# Altium PCB as14120_all перед разводкой ddr.PcbDoc (part 1 of 3) (continued)
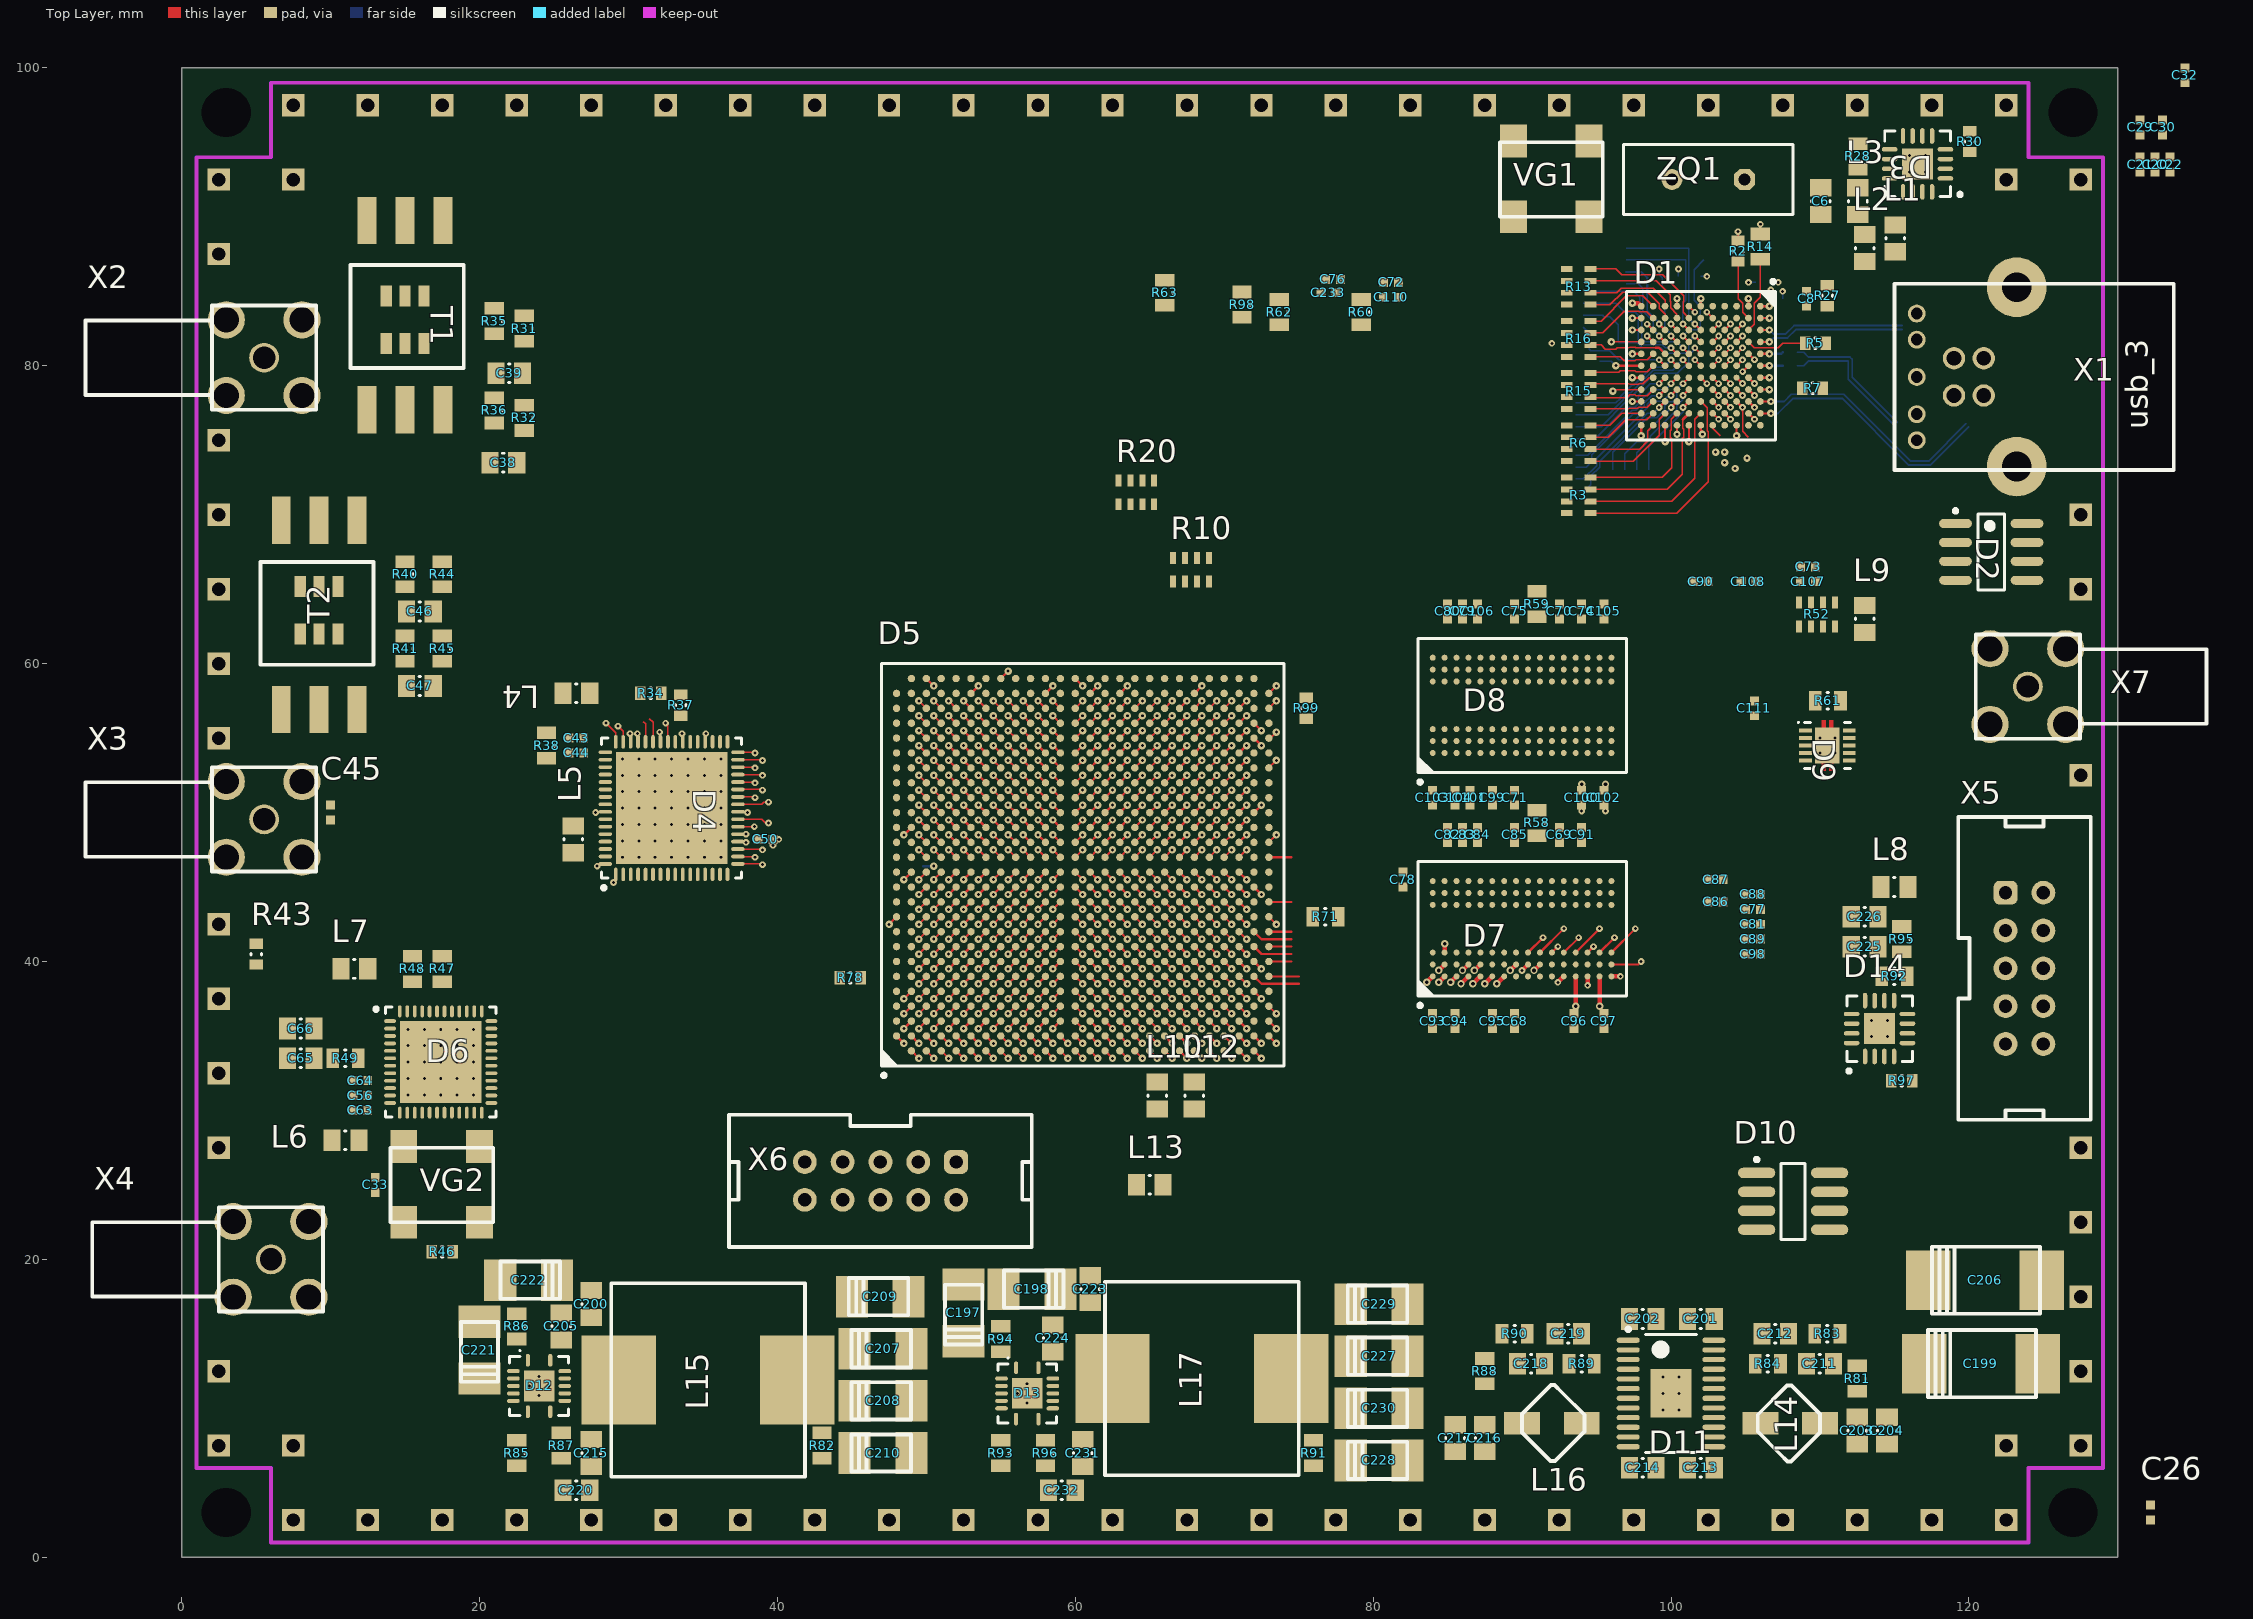
[diagram p0: Top Layer view]
## Components (designator, comment, footprint, x,y, rotation, side; value= is the part's Value field where it differs from the comment) (continued)
C218 "CAP_0805" CAPC0805(2012)100_N 90.6,13 r0 top
C219 "CAP_0805" CAPC0805(2012)100_N 93.1,15 r0 top
C220 "CAP_0805" CAPC0805(2012)100_N 26.5,4.5 r180 top
C221 "AVX_B" AVX_B 20,16.04 r270 top
C222 "AVX_B" AVX_B 21.16,18.6 r0 top
C223 "CAP_0805" CAPC0805(2012)100_N 61,18 r90 top
C224 "CAP_0805" CAPC0805(2012)100_N 58.5,14.7 r90 top
C225 "CAP_0805" CAPC0805(2012)100_N 113,41 r180 top
C226 "CAP_0805" CAPC0805(2012)100_N 113,43 r180 top
C227 "AVX_B" AVX_B 82.54,13.5 r180 top
C228 "AVX_B" AVX_B 82.54,6.5 r180 top
C229 "AVX_B" AVX_B 82.54,17 r180 top
C230 "AVX_B" AVX_B 82.54,10 r180 top
C231 "CAP_0805" CAPC0805(2012)100_N 60.5,7 r90 top
C232 "CAP_0805" CAPC0805(2012)100_N 59.1,4.5 r180 top
C233 "CAP 1uF 10V 0402(1005)" CAPC0402(1005)60_M 77,84.9 r180 top
C234 "CAP 1uF 10V 0402(1005)" CAPC0402(1005)60_M 56,34 r135 bottom
D1 "CYUSB3014" BGA121C80P11X11 102,80 r270 top locked
D2 "AT24C64(soic)" 8S1_N 121.5,67.5 r0 top
D3 "ADP1741" CP-16-4_N 116.55,93.55 r180 top
D4 "AD9640ABCPZ-125" CP-64-6_N 32.9,50.3 r90 top
D5 "5CEFA7F27C8N" ALTR-672-FBGA-2000A 60.5,46.5 r90 top
D6 "AD9517-4ABCPZ" ADI-CP-48-8_L 17.4,33.25 r0 top
D7 "MT41J256M16HA-125" MICT-HA-96 90,42.2 r90 top
D8 "MT41J256M16HA-125" MICT-HA-96 90,57.2 r90 top
D9 "TPS51200DRCT" TI-DRC10-2400X1650TP_V 110.5,54.5 r0 top
D10 "SN65HVD78" 8S1_M 108.2,23.9 r0 top
D11 "LTC3615EFE#PBF" LT-FE-24-EPV-AA_N 100,11 r0 top
D12 "TPS54620RGYR" RGY14-2050X2050TP 24,11.5 r0 top
D13 "TPS54620RGYR" RGY14-2050X2050TP 56.775,11 r0 top
D14 "ADP1741" CP-16-4_N 114,35.5 r90 top
L1 "BLM21PG300SN1D" CAPC0805(2012)100_N 115.05,88.55 r270 top
L2 "BLM21PG300SN1D" CAPC0805(2012)100_N 113,87.9 r270 top
L3 "BLM21PG300SN1D" CAPC0805(2012)100_N 112.55,91.05 r270 top
L4 "BLM21PG300SN1D" CAPC0805(2012)100_N 26.5,58 r180 top
L5 "BLM21PG300SN1D" CAPC0805(2012)100_N 26.3,48.2 r90 top
L6 "BLM21PG300SN1D" CAPC0805(2012)100_N 11,28 r180 top
L7 "BLM21PG300SN1D" CAPC0805(2012)100_N 11.6,39.5 r0 top
L8 "BLM21PG300SN1D" CAPC0805(2012)100_N 115,45 r0 top
L9 "BLM21PG300SN1D" CAPC0805(2012)100_N 113,63 r270 top
L10 "BLM21PG300SN1D" CAPC0805(2012)100_N 65.5,31 r270 top
L12 "BLM21PG300SN1D" CAPC0805(2012)100_N 68,31 r270 top
L13 "BLM21PG300SN1D" CAPC0805(2012)100_N 65,25 r0 top
L14 "IND_Sumida_CDRH3D16" IND_SUMIDA_CDRH3D16 107.962,9.029 r0 top
L15 "ind_cdr127_sumida" IND_CDR127_Sumida 35.35,11.9 r90 top
L16 "IND_Sumida_CDRH3D16" IND_SUMIDA_CDRH3D16 92.038,8.971 r180 top
L17 "ind_cdr127_sumida" IND_CDR127_Sumida 68.5,12 r90 top
R1 "1K 1% 0805(2012)" RESC0805(2012)_L 121,88 r0 bottom
R2 "1K 5% 0603(1608)" RESC0603(1608)_L 104.5,87.7 r270 top
R3 "RES_CAY16" CAY16 93.8,72.5 r270 top
R4 "???" RESC0603(1608)_L 107.1,74.7 r270 bottom
R5 "1K 5% 0603(1608)" RESC0603(1608)_L 109.7,81.5 r180 top
R6 "RES_CAY16" CAY16 93.8,76 r270 top
R7 "1K 5% 0603(1608)" RESC0603(1608)_L 109.5,78.5 r180 top
R8 "RES_CAY16" CAY16 93.3,82.6 r90 bottom
R9 "RES_CAY16" CAY16 92.8,71.6 r90 bottom
R10 "RES_CAY16" CAY16 66.567,66.3 r0 top
R11 "1K 5% 0603(1608)" RESC0603(1608)_L 91,93 r270 bottom
R12 "1K 1% 0805(2012)" RESC0805(2012)_L 109,74.7 r270 bottom
R13 "RES_CAY16" CAY16 93.8,86.5 r270 top
R14 "1K 1% 0805(2012)" RESC0805(2012)_L 106,88 r90 top
R15 "RES_CAY16" CAY16 93.8,79.5 r270 top
R16 "RES_CAY16" CAY16 93.8,83 r270 top
R17 "RES_CAY16" CAY16 98.5,72.2 r180 bottom
R18 "RES_CAY16" CAY16 92.8,75.1 r90 bottom
R19 "RES_CAY16" CAY16 96.2,85.5 r90 bottom
R20 "RES_CAY16" CAY16 62.9,71.5 r0 top
R21 "1K 5% 0603(1608)" RESC0603(1608)_L 123.5,66.5 r180 bottom
R22 "1K 5% 0603(1608)" RESC0603(1608)_L 123.5,65 r180 bottom
R23 "1K 5% 0603(1608)" RESC0603(1608)_L 102.9,87.1 r0 bottom
R24 "1K 5% 0603(1608)" RESC0603(1608)_L 99.4,84.7 r90 bottom
R25 "1K 5% 0603(1608)" RESC0603(1608)_L 95.2,81 r270 bottom
R26 "1K 5% 0603(1608)" RESC0603(1608)_L 95,78.7 r90 bottom
R27 "1K 5% 0603(1608)" RESC0603(1608)_L 110.5,84.7 r90 top
R28 "1K 1% 0805(2012)" RESC0805(2012)_L 112.55,94.05 r270 top
R29 "1K 1% 0805(2012)" RESC0805(2012)_L 113.55,95.05 r0 bottom
R30 "1K 5% 0603(1608)" RESC0603(1608)_L 120.05,95.05 r270 top
R31 "1K 1% 0805(2012)" RESC0805(2012)_L 23,82.5 r270 top
R32 "1K 1% 0805(2012)" RESC0805(2012)_L 23,76.5 r270 top
R33 "1K 1% 0805(2012)" RESC0805(2012)_L 7.5,88 r270 bottom
R34 "1K 5% 0603(1608)" RESC0603(1608)_L 31.5,58 r0 top
R35 "1K 1% 0805(2012)" RESC0805(2012)_L 21,83 r90 top
R36 "1K 1% 0805(2012)" RESC0805(2012)_L 21,77 r270 top
R37 "1K 5% 0603(1608)" RESC0603(1608)_L 33.5,57.2 r270 top
R38 "100" RESC0805(2012)_L 24.5,54.5 r90 top
R39 "10k 1%" RESC0805(2012)_L 31.65,54.15 r270 bottom
R40 "1K 1% 0805(2012)" RESC0805(2012)_L 15,66 r90 top
R41 "1K 1% 0805(2012)" RESC0805(2012)_L 15,61 r90 top
R42 "1K 1% 0805(2012)" RESC0805(2012)_L 11,47.15 r90 bottom
R43 "000" RESC0603(1608)_L 5,40.5 r90 top
R44 "1K 1% 0805(2012)" RESC0805(2012)_L 17.5,66 r90 top
R45 "1K 1% 0805(2012)" RESC0805(2012)_L 17.5,61 r90 top
R46 "1K 5% 0603(1608)" RESC0603(1608)_L 17.5,20.5 r180 top
R47 "1K 1% 0805(2012)" RESC0805(2012)_L 17.5,39.5 r90 top
R48 "1K 1% 0805(2012)" RESC0805(2012)_L 15.5,39.5 r90 top
R49 "1K 1% 0805(2012)" RESC0805(2012)_L 11,33.5 r180 top
R50 "1K 1% 0805(2012)" RESC0805(2012)_L 11,18 r270 bottom
R51 "1K 1% 0805(2012)" RESC0805(2012)_L 11,21.5 r270 bottom
R52 "RES_CAY16" CAY16 111,63.3 r180 top
R53 "RES_CAY16" CAY16 89.9,67.2 r0 bottom
R54 "RES_CAY16" CAY16 98.3,62.4 r270 bottom
R55 "RES_CAY16" CAY16 98.3,58.9 r270 bottom
R56 "RES_CAY16" CAY16 98.3,55.4 r270 bottom
R57 "RES_CAY16" CAY16 85,67 r0 bottom
R58 "1K 1% 0805(2012)" RESC0805(2012)_L 91,49.3 r90 top
R59 "1K 1% 0805(2012)" RESC0805(2012)_L 91,64 r90 top
R60 "39" RESC0805(2012)_L 79.2,83.6 r90 top
R61 "1K 1% 0805(2012)" RESC0805(2012)_L 110.525,57.5 r0 top
R62 "1K 1% 0805(2012)" RESC0805(2012)_L 73.7,83.6 r270 top
R63 "1K 1% 0805(2012)" RESC0805(2012)_L 66,84.9 r270 top
R64 "1K 1% 0805(2012)" RESC0805(2012)_L 110.525,59.5 r180 bottom
R65 "1K 1% 0805(2012)" RESC0805(2012)_L 120,37 r0 bottom
R66 "1K 1% 0805(2012)" RESC0805(2012)_L 120,44.5 r0 bottom
R67 "1K 1% 0805(2012)" RESC0805(2012)_L 121.5,31 r180 bottom
R68 "1K 1% 0805(2012)" RESC0805(2012)_L 120,42 r0 bottom
R69 "1K 1% 0805(2012)" RESC0805(2012)_L 120,40 r180 bottom
R70 "1K 1% 0805(2012)" RESC0805(2012)_L 50,32 r0 bottom
R71 "1K 1% 0805(2012)" RESC0805(2012)_L 76.8,43 r0 top
R72 "1K 5% 0603(1608)" RESC0603(1608)_L 46.5,22 r180 bottom
R73 "1K 5% 0603(1608)" RESC0603(1608)_L 50,22 r0 bottom
R74 "1K 5% 0603(1608)" RESC0603(1608)_L 40,25 r270 bottom
R75 "1K 5% 0603(1608)" RESC0603(1608)_L 56.5,31.5 r270 bottom
R76 "1K 5% 0603(1608)" RESC0603(1608)_L 55,31.5 r270 bottom
R77 "1K 5% 0603(1608)" RESC0603(1608)_L 53.5,31.5 r90 bottom
R78 "1K 5% 0603(1608)" RESC0603(1608)_L 44.9,38.9 r0 top
R79 "1K 5% 0603(1608)" RESC0603(1608)_L 61.5,31.7 r90 bottom
R80 "1K 5% 0603(1608)" RESC0603(1608)_L 54,25.5 r90 bottom
R81 "1K 1% 0805(2012)" RESC0805(2012)_L 112.5,12 r270 top
R82 "1K 1% 0805(2012)" RESC0805(2012)_L 43,7.5 r90 top
R83 "1K 1% 0805(2012)" RESC0805(2012)_L 110.5,15 r180 top
R84 "1K 1% 0805(2012)" RESC0805(2012)_L 106.5,13 r180 top
R85 "1K 1% 0805(2012)" RESC0805(2012)_L 22.5,7 r90 top
R86 "1K 1% 0805(2012)" RESC0805(2012)_L 22.5,15.5 r90 top
R87 "1K 1% 0805(2012)" RESC0805(2012)_L 25.5,7.5 r270 top
R88 "1K 1% 0805(2012)" RESC0805(2012)_L 87.5,12.5 r270 top
R89 "1K 1% 0805(2012)" RESC0805(2012)_L 94,13 r0 top
R90 "1K 1% 0805(2012)" RESC0805(2012)_L 89.5,15 r180 top
R91 "1K 1% 0805(2012)" RESC0805(2012)_L 76,7 r90 top
R92 "1K 1% 0805(2012)" RESC0805(2012)_L 115,39 r180 top
R93 "1K 1% 0805(2012)" RESC0805(2012)_L 55,7 r90 top
R94 "1K 1% 0805(2012)" RESC0805(2012)_L 55,14.65 r90 top
R95 "1K 1% 0805(2012)" RESC0805(2012)_L 115.5,41.5 r270 top
R96 "1K 1% 0805(2012)" RESC0805(2012)_L 58,7 r270 top
R97 "1K 5% 0603(1608)" RESC0603(1608)_L 115.5,32 r180 top
R98 "39" RESC0805(2012)_L 71.2,84.1 r270 top
R99 "???" RESC0603(1608)_L 75.5,57 r90 top
R100 "???" RESC0603(1608)_L 47.4,43.9 r0 bottom
T1 "TT1-6" TT!-6-KK81 17.54,89.755 r180 top
T2 "TT1-6" TT!-6-KK81 6.69,56.92 r0 top
VD1 "BAV99" SO-G3/X.9 6,30 r270 bottom
VD2 "30BQ60" SMC 121,24.5 r0 bottom
VG1 "kxo-v97" kxo-v97 89.42,90 r0 top
VG2 "kxo-v97" kxo-v97 14.92,22.5 r0 top
X1 "USB_3_B" USB3_B 116.5,79.25 r90 top locked
X2 "sma" SMA 5.54,80.54 r0 top
X3 "sma" SMA 5.54,49.54 r0 top
X4 "sma" SMA 6,20 r0 top
X5 "IDC10" IDC10M 122.46,44.62 r90 top
X6 "IDC10" IDC10M 52,26.54 r0 top
X7 "sma" SMA 123.96,58.46 r180 top
ZQ1 "Resonator" BCY-W2/E4.7 102.5,92.5 r180 top

## Footprints (in the part's own frame and the unit in brackets; to place one, negate y for a bottom-side part, rotate by r counter-clockwise, add the part's x,y. Pads: shape width x height; smd on the part's side, far side on the other; paste and mask are expansions set on the pad)
8S1_M [mm] "SOIC, 8-Leads, Body 4.9x3.9mm, Pitch 1.27mm, IPC Low Density"
  oval 2.5x0.7 smd: 1(-2.45,1.905) 2(-2.45,0.635) 3(-2.45,-0.635) 4(-2.45,-1.905) 5(2.45,-1.905) 6(2.45,-0.635) 7(2.45,0.635) 8(2.45,1.905)
  silkscreen extent -2.57,-2.55 0.8,2.93, body extent -1.99,-2.52 1.99,2.52, height 1.75
8S1_N [mm] "SOIC, 8-Leads, Body 4.9x3.9mm, Pitch 1.27mm, IPC Medium Density"
  oval 2.2x0.6 smd: 1(-2.4,1.905) 2(-2.4,0.635) 3(-2.4,-0.635) 4(-2.4,-1.905) 5(2.4,-1.905) 6(2.4,-0.635) 7(2.4,0.635) 8(2.4,1.905)
  silkscreen extent -2.52,-2.55 0.9,2.88, body extent -1.99,-2.53 1.99,2.53, height 1.75
ADI-CP-48-8_L [mm] "QFN, 48-Leads, Body 7x7mm, Pitch 0.5mm, Thermal Pad 5.5x5.5mm, IPC High Density"
  oval 0.8x0.25 smd: 1(-3.4,2.75) 2(-3.4,2.25) 3(-3.4,1.75) 4(-3.4,1.25) 5(-3.4,0.75) 6(-3.4,0.25) 7(-3.4,-0.25) 8(-3.4,-0.75) 9(-3.4,-1.25) 10(-3.4,-1.75) 11(-3.4,-2.25) 12(-3.4,-2.75) 25(3.4,-2.75) 26(3.4,-2.25) 27(3.4,-1.75) 28(3.4,-1.25) 29(3.4,-0.75) 30(3.4,-0.25) 31(3.4,0.25) 32(3.4,0.75) 33(3.4,1.25) 34(3.4,1.75) 35(3.4,2.25) 36(3.4,2.75)
  oval 0.25x0.8 smd: 13(-2.75,-3.4) 14(-2.25,-3.4) 15(-1.75,-3.4) 16(-1.25,-3.4) 17(-0.75,-3.4) 18(-0.25,-3.4) 19(0.25,-3.4) 20(0.75,-3.4) 21(1.25,-3.4) 22(1.75,-3.4) 23(2.25,-3.4) 24(2.75,-3.4) 37(2.75,3.4) 38(2.25,3.4) 39(1.75,3.4) 40(1.25,3.4) 41(0.75,3.4) 42(0.25,3.4) 43(-0.25,3.4) 44(-0.75,3.4) 45(-1.25,3.4) 46(-1.75,3.4) 47(-2.25,3.4) 48(-2.75,3.4)
  rect 5.5x5.5 smd: 49(0,0)
  silkscreen extent -4.47,-3.7 3.7,3.7, body extent -3.55,-3.55 3.55,3.55, height 1
ALTR-672-FBGA-2000A [mm] "FBGA, 672-Balls, Body 27x27mm, Pitch 1mm, Recommended"
  round 0.5 smd: A2(-11.5,12.5) A3(-10.5,12.5) A4(-9.5,12.5) A5(-8.5,12.5) A6(-7.5,12.5) A7(-6.5,12.5) A8(-5.5,12.5) A9(-4.5,12.5) A10(-3.5,12.5) A11(-2.5,12.5) A12(-1.5,12.5) A13(-0.5,12.5) A14(0.5,12.5) A15(1.5,12.5) A16(2.5,12.5) A17(3.5,12.5) A18(4.5,12.5) A19(5.5,12.5) A20(6.5,12.5) A21(7.5,12.5) A22(8.5,12.5) A23(9.5,12.5) A24(10.5,12.5) A25(11.5,12.5) AA1(-12.5,-7.5) AA2(-11.5,-7.5) AA3(-10.5,-7.5) AA4(-9.5,-7.5) AA5(-8.5,-7.5) AA6(-7.5,-7.5) AA7(-6.5,-7.5) AA8(-5.5,-7.5) AA9(-4.5,-7.5) AA10(-3.5,-7.5) AA11(-2.5,-7.5) AA12(-1.5,-7.5) AA13(-0.5,-7.5) AA14(0.5,-7.5) AA15(1.5,-7.5) AA16(2.5,-7.5) AA17(3.5,-7.5) AA18(4.5,-7.5) AA19(5.5,-7.5) AA20(6.5,-7.5) AA21(7.5,-7.5) AA22(8.5,-7.5) AA23(9.5,-7.5) AA24(10.5,-7.5) AA25(11.5,-7.5) AA26(12.5,-7.5) AB1(-12.5,-8.5) AB2(-11.5,-8.5) AB3(-10.5,-8.5) AB4(-9.5,-8.5) AB5(-8.5,-8.5) AB6(-7.5,-8.5) AB7(-6.5,-8.5) AB8(-5.5,-8.5) AB9(-4.5,-8.5) AB10(-3.5,-8.5) AB11(-2.5,-8.5) AB12(-1.5,-8.5) AB13(-0.5,-8.5) AB14(0.5,-8.5) AB15(1.5,-8.5) AB16(2.5,-8.5) AB17(3.5,-8.5) AB18(4.5,-8.5) AB19(5.5,-8.5) AB20(6.5,-8.5) AB21(7.5,-8.5) AB22(8.5,-8.5) AB23(9.5,-8.5) AB24(10.5,-8.5) AB25(11.5,-8.5) AB26(12.5,-8.5) AC1(-12.5,-9.5) AC2(-11.5,-9.5) AC3(-10.5,-9.5) AC4(-9.5,-9.5) AC5(-8.5,-9.5) AC6(-7.5,-9.5) AC7(-6.5,-9.5) AC8(-5.5,-9.5) AC9(-4.5,-9.5) AC10(-3.5,-9.5) AC11(-2.5,-9.5) AC12(-1.5,-9.5) AC13(-0.5,-9.5) AC14(0.5,-9.5) AC15(1.5,-9.5) AC16(2.5,-9.5) AC17(3.5,-9.5) AC18(4.5,-9.5) AC19(5.5,-9.5) AC20(6.5,-9.5) AC21(7.5,-9.5) AC22(8.5,-9.5) AC23(9.5,-9.5) AC24(10.5,-9.5) AC25(11.5,-9.5) AC26(12.5,-9.5) AD1(-12.5,-10.5) AD2(-11.5,-10.5) AD3(-10.5,-10.5) AD4(-9.5,-10.5) AD5(-8.5,-10.5) AD6(-7.5,-10.5) AD7(-6.5,-10.5) AD8(-5.5,-10.5) AD9(-4.5,-10.5) AD10(-3.5,-10.5) AD11(-2.5,-10.5) AD12(-1.5,-10.5) AD13(-0.5,-10.5) AD14(0.5,-10.5) AD15(1.5,-10.5) AD16(2.5,-10.5) AD17(3.5,-10.5) AD18(4.5,-10.5) AD19(5.5,-10.5) AD20(6.5,-10.5) AD21(7.5,-10.5) AD22(8.5,-10.5) AD23(9.5,-10.5) AD24(10.5,-10.5) AD25(11.5,-10.5) AD26(12.5,-10.5) AE1(-12.5,-11.5) AE2(-11.5,-11.5) AE3(-10.5,-11.5) AE4(-9.5,-11.5) AE5(-8.5,-11.5) AE6(-7.5,-11.5) AE7(-6.5,-11.5) AE8(-5.5,-11.5) AE9(-4.5,-11.5) AE10(-3.5,-11.5) AE11(-2.5,-11.5) AE12(-1.5,-11.5) AE13(-0.5,-11.5) AE14(0.5,-11.5) AE15(1.5,-11.5) AE16(2.5,-11.5) AE17(3.5,-11.5) AE18(4.5,-11.5) AE19(5.5,-11.5) AE20(6.5,-11.5) AE21(7.5,-11.5) AE22(8.5,-11.5) AE23(9.5,-11.5) AE24(10.5,-11.5) AE25(11.5,-11.5) AE26(12.5,-11.5) AF2(-11.5,-12.5) AF3(-10.5,-12.5) AF4(-9.5,-12.5) AF5(-8.5,-12.5) AF6(-7.5,-12.5) AF7(-6.5,-12.5) AF8(-5.5,-12.5) AF9(-4.5,-12.5) AF10(-3.5,-12.5) AF11(-2.5,-12.5) AF12(-1.5,-12.5) AF13(-0.5,-12.5) AF14(0.5,-12.5) AF15(1.5,-12.5) AF16(2.5,-12.5) AF17(3.5,-12.5) AF18(4.5,-12.5) AF19(5.5,-12.5) AF20(6.5,-12.5) AF21(7.5,-12.5) AF22(8.5,-12.5) AF23(9.5,-12.5) AF24(10.5,-12.5) AF25(11.5,-12.5) B1(-12.5,11.5) B2(-11.5,11.5) B3(-10.5,11.5) B4(-9.5,11.5) B5(-8.5,11.5) B6(-7.5,11.5) B7(-6.5,11.5) B8(-5.5,11.5) B9(-4.5,11.5) B10(-3.5,11.5) B11(-2.5,11.5) B12(-1.5,11.5) B13(-0.5,11.5) B14(0.5,11.5) B15(1.5,11.5) B16(2.5,11.5) B17(3.5,11.5) B18(4.5,11.5) B19(5.5,11.5) B20(6.5,11.5) B21(7.5,11.5) B22(8.5,11.5) B23(9.5,11.5) B24(10.5,11.5) B25(11.5,11.5) B26(12.5,11.5) C1(-12.5,10.5) C2(-11.5,10.5) C3(-10.5,10.5) C4(-9.5,10.5) C5(-8.5,10.5) C6(-7.5,10.5) C7(-6.5,10.5) C8(-5.5,10.5) C9(-4.5,10.5) C10(-3.5,10.5) C11(-2.5,10.5) C12(-1.5,10.5) C13(-0.5,10.5) C14(0.5,10.5) C15(1.5,10.5) C16(2.5,10.5) C17(3.5,10.5) C18(4.5,10.5) C19(5.5,10.5) C20(6.5,10.5) C21(7.5,10.5) C22(8.5,10.5) C23(9.5,10.5) C24(10.5,10.5) C25(11.5,10.5) C26(12.5,10.5) D1(-12.5,9.5) D2(-11.5,9.5) D3(-10.5,9.5) D4(-9.5,9.5) D5(-8.5,9.5) D6(-7.5,9.5) D7(-6.5,9.5) D8(-5.5,9.5) D9(-4.5,9.5) D10(-3.5,9.5) D11(-2.5,9.5) D12(-1.5,9.5) D13(-0.5,9.5) D14(0.5,9.5) D15(1.5,9.5) D16(2.5,9.5) D17(3.5,9.5) D18(4.5,9.5) D19(5.5,9.5) D20(6.5,9.5) D21(7.5,9.5) D22(8.5,9.5) D23(9.5,9.5) D24(10.5,9.5) D25(11.5,9.5) D26(12.5,9.5) E1(-12.5,8.5) E2(-11.5,8.5) E3(-10.5,8.5) E4(-9.5,8.5) E5(-8.5,8.5) E6(-7.5,8.5) E7(-6.5,8.5) E8(-5.5,8.5) E9(-4.5,8.5) E10(-3.5,8.5) E11(-2.5,8.5) E12(-1.5,8.5) E13(-0.5,8.5) E14(0.5,8.5) E15(1.5,8.5) E16(2.5,8.5) E17(3.5,8.5) E18(4.5,8.5) E19(5.5,8.5) E20(6.5,8.5) E21(7.5,8.5) E22(8.5,8.5) E23(9.5,8.5) E24(10.5,8.5) E25(11.5,8.5) E26(12.5,8.5) F1(-12.5,7.5) F2(-11.5,7.5) F3(-10.5,7.5) F4(-9.5,7.5) F5(-8.5,7.5) F6(-7.5,7.5) F7(-6.5,7.5) F8(-5.5,7.5) F9(-4.5,7.5) F10(-3.5,7.5) F11(-2.5,7.5) F12(-1.5,7.5) F13(-0.5,7.5) F14(0.5,7.5) F15(1.5,7.5) F16(2.5,7.5) F17(3.5,7.5) F18(4.5,7.5) F19(5.5,7.5) F20(6.5,7.5) F21(7.5,7.5) F22(8.5,7.5) F23(9.5,7.5) F24(10.5,7.5) F25(11.5,7.5) F26(12.5,7.5) G1(-12.5,6.5) G2(-11.5,6.5) G3(-10.5,6.5) G4(-9.5,6.5) G5(-8.5,6.5) G6(-7.5,6.5) G7(-6.5,6.5) G8(-5.5,6.5) G9(-4.5,6.5) G10(-3.5,6.5) G11(-2.5,6.5) G12(-1.5,6.5) G13(-0.5,6.5) G14(0.5,6.5) G15(1.5,6.5) G16(2.5,6.5) G17(3.5,6.5) G18(4.5,6.5) G19(5.5,6.5) G20(6.5,6.5) G21(7.5,6.5) G22(8.5,6.5) G23(9.5,6.5) G24(10.5,6.5) G25(11.5,6.5) G26(12.5,6.5) H1(-12.5,5.5) H2(-11.5,5.5) H3(-10.5,5.5) H4(-9.5,5.5) H5(-8.5,5.5) H6(-7.5,5.5) H7(-6.5,5.5) H8(-5.5,5.5) H9(-4.5,5.5) H10(-3.5,5.5) H11(-2.5,5.5) H12(-1.5,5.5) H13(-0.5,5.5) H14(0.5,5.5) H15(1.5,5.5) H16(2.5,5.5) H17(3.5,5.5) H18(4.5,5.5) H19(5.5,5.5) H20(6.5,5.5) H21(7.5,5.5) H22(8.5,5.5) H23(9.5,5.5) H24(10.5,5.5) H25(11.5,5.5) H26(12.5,5.5) J1(-12.5,4.5) J2(-11.5,4.5) J3(-10.5,4.5) J4(-9.5,4.5) J5(-8.5,4.5) J6(-7.5,4.5) J7(-6.5,4.5) J8(-5.5,4.5) J9(-4.5,4.5) J10(-3.5,4.5) J11(-2.5,4.5) J12(-1.5,4.5) J13(-0.5,4.5) J14(0.5,4.5) J15(1.5,4.5) J16(2.5,4.5) J17(3.5,4.5) J18(4.5,4.5) J19(5.5,4.5) J20(6.5,4.5) J21(7.5,4.5) J22(8.5,4.5) J23(9.5,4.5) J24(10.5,4.5) J25(11.5,4.5) J26(12.5,4.5) K1(-12.5,3.5) K2(-11.5,3.5) K3(-10.5,3.5) K4(-9.5,3.5) K5(-8.5,3.5) K6(-7.5,3.5) K7(-6.5,3.5) K8(-5.5,3.5) K9(-4.5,3.5) K10(-3.5,3.5) K11(-2.5,3.5) K12(-1.5,3.5) K13(-0.5,3.5) K14(0.5,3.5) K15(1.5,3.5) K16(2.5,3.5) K17(3.5,3.5) K18(4.5,3.5) K19(5.5,3.5) K20(6.5,3.5) K21(7.5,3.5) K22(8.5,3.5) K23(9.5,3.5) K24(10.5,3.5) K25(11.5,3.5) K26(12.5,3.5) L1(-12.5,2.5) L2(-11.5,2.5) L3(-10.5,2.5) L4(-9.5,2.5) L5(-8.5,2.5) L6(-7.5,2.5) L7(-6.5,2.5) L8(-5.5,2.5) L9(-4.5,2.5) L10(-3.5,2.5) L11(-2.5,2.5) L12(-1.5,2.5) L13(-0.5,2.5) L14(0.5,2.5) L15(1.5,2.5) L16(2.5,2.5) L17(3.5,2.5) L18(4.5,2.5) L19(5.5,2.5) L20(6.5,2.5) L21(7.5,2.5) L22(8.5,2.5) L23(9.5,2.5) L24(10.5,2.5) L25(11.5,2.5) L26(12.5,2.5) M1(-12.5,1.5) M2(-11.5,1.5) M3(-10.5,1.5) M4(-9.5,1.5) M5(-8.5,1.5) M6(-7.5,1.5) M7(-6.5,1.5) M8(-5.5,1.5) M9(-4.5,1.5) M10(-3.5,1.5) M11(-2.5,1.5) M12(-1.5,1.5) M13(-0.5,1.5) M14(0.5,1.5) M15(1.5,1.5) M16(2.5,1.5) M17(3.5,1.5) M18(4.5,1.5) M19(5.5,1.5) M20(6.5,1.5) M21(7.5,1.5) M22(8.5,1.5) M23(9.5,1.5) M24(10.5,1.5) M25(11.5,1.5) M26(12.5,1.5) N1(-12.5,0.5) N2(-11.5,0.5) N3(-10.5,0.5) N4(-9.5,0.5) N5(-8.5,0.5) N6(-7.5,0.5) N7(-6.5,0.5) N8(-5.5,0.5) N9(-4.5,0.5) N10(-3.5,0.5) N11(-2.5,0.5) N12(-1.5,0.5) N13(-0.5,0.5) N14(0.5,0.5) N15(1.5,0.5) N16(2.5,0.5) N17(3.5,0.5) N18(4.5,0.5) N19(5.5,0.5) N20(6.5,0.5) N21(7.5,0.5) N22(8.5,0.5) N23(9.5,0.5) N24(10.5,0.5) N25(11.5,0.5) N26(12.5,0.5) P1(-12.5,-0.5) P2(-11.5,-0.5) P3(-10.5,-0.5) P4(-9.5,-0.5) P5(-8.5,-0.5) P6(-7.5,-0.5) P7(-6.5,-0.5) P8(-5.5,-0.5) P9(-4.5,-0.5) P10(-3.5,-0.5) P11(-2.5,-0.5) P12(-1.5,-0.5) P13(-0.5,-0.5) P14(0.5,-0.5) P15(1.5,-0.5) P16(2.5,-0.5) P17(3.5,-0.5) P18(4.5,-0.5) P19(5.5,-0.5) P20(6.5,-0.5) P21(7.5,-0.5) P22(8.5,-0.5) P23(9.5,-0.5) P24(10.5,-0.5) P25(11.5,-0.5) P26(12.5,-0.5) R1(-12.5,-1.5) R2(-11.5,-1.5) R3(-10.5,-1.5) R4(-9.5,-1.5) R5(-8.5,-1.5) R6(-7.5,-1.5) R7(-6.5,-1.5) R8(-5.5,-1.5) R9(-4.5,-1.5) R10(-3.5,-1.5) R11(-2.5,-1.5) R12(-1.5,-1.5) R13(-0.5,-1.5) R14(0.5,-1.5) R15(1.5,-1.5) R16(2.5,-1.5) R17(3.5,-1.5) R18(4.5,-1.5) R19(5.5,-1.5) R20(6.5,-1.5) R21(7.5,-1.5) R22(8.5,-1.5) R23(9.5,-1.5) R24(10.5,-1.5) R25(11.5,-1.5) R26(12.5,-1.5) T1(-12.5,-2.5) T2(-11.5,-2.5) T3(-10.5,-2.5) T4(-9.5,-2.5) T5(-8.5,-2.5) T6(-7.5,-2.5) T7(-6.5,-2.5) T8(-5.5,-2.5) T9(-4.5,-2.5) T10(-3.5,-2.5) T11(-2.5,-2.5) T12(-1.5,-2.5) T13(-0.5,-2.5) T14(0.5,-2.5) T15(1.5,-2.5) T16(2.5,-2.5) T17(3.5,-2.5) T18(4.5,-2.5) T19(5.5,-2.5) T20(6.5,-2.5) T21(7.5,-2.5) T22(8.5,-2.5) T23(9.5,-2.5) T24(10.5,-2.5) T25(11.5,-2.5) T26(12.5,-2.5) U1(-12.5,-3.5) U2(-11.5,-3.5) U3(-10.5,-3.5) U4(-9.5,-3.5) U5(-8.5,-3.5) U6(-7.5,-3.5) U7(-6.5,-3.5) U8(-5.5,-3.5) U9(-4.5,-3.5) U10(-3.5,-3.5) U11(-2.5,-3.5) U12(-1.5,-3.5) U13(-0.5,-3.5) U14(0.5,-3.5) U15(1.5,-3.5) U16(2.5,-3.5) U17(3.5,-3.5) U18(4.5,-3.5) U19(5.5,-3.5) U20(6.5,-3.5) U21(7.5,-3.5) U22(8.5,-3.5) U23(9.5,-3.5) U24(10.5,-3.5) U25(11.5,-3.5) U26(12.5,-3.5) V1(-12.5,-4.5) V2(-11.5,-4.5) V3(-10.5,-4.5) V4(-9.5,-4.5) V5(-8.5,-4.5) V6(-7.5,-4.5) V7(-6.5,-4.5) V8(-5.5,-4.5) V9(-4.5,-4.5) V10(-3.5,-4.5) V11(-2.5,-4.5) V12(-1.5,-4.5) V13(-0.5,-4.5) V14(0.5,-4.5) V15(1.5,-4.5) V16(2.5,-4.5) V17(3.5,-4.5) V18(4.5,-4.5) V19(5.5,-4.5) V20(6.5,-4.5) V21(7.5,-4.5) V22(8.5,-4.5) V23(9.5,-4.5) V24(10.5,-4.5) V25(11.5,-4.5) V26(12.5,-4.5) W1(-12.5,-5.5) W2(-11.5,-5.5) W3(-10.5,-5.5) W4(-9.5,-5.5) W5(-8.5,-5.5) W6(-7.5,-5.5) W7(-6.5,-5.5) W8(-5.5,-5.5) W9(-4.5,-5.5) W10(-3.5,-5.5) W11(-2.5,-5.5) W12(-1.5,-5.5) W13(-0.5,-5.5) W14(0.5,-5.5) W15(1.5,-5.5) W16(2.5,-5.5) W17(3.5,-5.5) W18(4.5,-5.5) W19(5.5,-5.5) W20(6.5,-5.5) W21(7.5,-5.5) W22(8.5,-5.5) W23(9.5,-5.5) W24(10.5,-5.5) W25(11.5,-5.5) W26(12.5,-5.5) Y1(-12.5,-6.5) Y2(-11.5,-6.5) Y3(-10.5,-6.5) Y4(-9.5,-6.5) Y5(-8.5,-6.5) Y6(-7.5,-6.5) Y7(-6.5,-6.5) Y8(-5.5,-6.5) Y9(-4.5,-6.5) Y10(-3.5,-6.5) Y11(-2.5,-6.5) Y12(-1.5,-6.5) Y13(-0.5,-6.5) Y14(0.5,-6.5) Y15(1.5,-6.5) Y16(2.5,-6.5) Y17(3.5,-6.5) Y18(4.5,-6.5) Y19(5.5,-6.5) Y20(6.5,-6.5) Y21(7.5,-6.5) Y22(8.5,-6.5) Y23(9.5,-6.5) Y24(10.5,-6.5) Y25(11.5,-6.5) Y26(12.5,-6.5)
  silkscreen extent -14.27,-13.5 13.5,13.5, body extent -13.5,-13.5 13.5,13.5, height 2
AVX_B [mil]
  rect 85x110 smd: 1(159.06,0) 2(9.06,0)
  silkscreen extent 10,-49 167,49, body extent 16,-58 161,58, height 80
AVX_D [mm]
  rect 3x4 smd: 1(0,0) 2(7.62,0)
  silkscreen extent 0.25,-2.25 7.5,2.25, body extent 0.35,-2.15 7.65,2.15, height 3.1
BCY-W2/E4.7 [mm] "Quartz Crystal, Thru-Hole; 2 Leads; Body 11.35 x 4.65 x 13.46 mm (LxWxH max)"
  oct 1.4x1.4 hole 0.8: 1(-2.44,0)
  round 1.4 hole 0.8: 2(2.44,0)
  silkscreen extent -5.7,-2.35 5.7,2.35
BGA121C80P11X11 [mm] "BGA, 121-Leads, Body 10,00x10,00mmx1,20mm, Pitch 0,80mm"
  round 0.45 smd: A1(-4,4) A2(-3.2,4) A3(-2.4,4) A4(-1.6,4) A5(-0.8,4) A6(0,4) A7(0.8,4) A8(1.6,4) A9(2.4,4) A10(3.2,4) A11(4,4) B1(-4,3.2) B2(-3.2,3.2) B3(-2.4,3.2) B4(-1.6,3.2) B5(-0.8,3.2) B6(0,3.2) B7(0.8,3.2) B8(1.6,3.2) B9(2.4,3.2) B10(3.2,3.2) B11(4,3.2) C1(-4,2.4) C2(-3.2,2.4) C3(-2.4,2.4) C4(-1.6,2.4) C5(-0.8,2.4) C6(0,2.4) C8(1.6,2.4) C9(2.4,2.4) C10(3.2,2.4) C11(4,2.4) D1(-4,1.6) D2(-3.2,1.6) D3(-2.4,1.6) D4(-1.6,1.6) D5(-0.8,1.6) D6(0,1.6) D7(0.8,1.6) D8(1.6,1.6) D9(2.4,1.6) D10(3.2,1.6) D11(4,1.6) E1(-4,0.8) E2(-3.2,0.8) E3(-2.4,0.8) E4(-1.6,0.8) E5(-0.8,0.8) E6(0,0.8) E7(0.8,0.8) E8(1.6,0.8) E9(2.4,0.8) E10(3.2,0.8) E11(4,0.8) F1(-4,0) F2(-3.2,0) F3(-2.4,0) F4(-1.6,0) F5(-0.8,0) F6(0,0) F7(0.8,0) F8(1.6,0) F9(2.4,0) F10(3.2,0) F11(4,0) G1(-4,-0.8) G2(-3.2,-0.8) G3(-2.4,-0.8) G4(-1.6,-0.8) G5(-0.8,-0.8) G6(0,-0.8) G7(0.8,-0.8) G8(1.6,-0.8) G9(2.4,-0.8) G10(3.2,-0.8) G11(4,-0.8) H1(-4,-1.6) H2(-3.2,-1.6) H3(-2.4,-1.6) H4(-1.6,-1.6) H5(-0.8,-1.6) H6(0,-1.6) H7(0.8,-1.6) H8(1.6,-1.6) H9(2.4,-1.6) H10(3.2,-1.6) H11(4,-1.6) J1(-4,-2.4) J2(-3.2,-2.4) J3(-2.4,-2.4) J4(-1.6,-2.4) J5(-0.8,-2.4) J6(0,-2.4) J7(0.8,-2.4) J8(1.6,-2.4) J9(2.4,-2.4) J10(3.2,-2.4) J11(4,-2.4) K1(-4,-3.2) K2(-3.2,-3.2) K3(-2.4,-3.2) K4(-1.6,-3.2) K5(-0.8,-3.2) K6(0,-3.2) K7(0.8,-3.2) K8(1.6,-3.2) K9(2.4,-3.2) K10(3.2,-3.2) K11(4,-3.2) L1(-4,-4) L2(-3.2,-4) L3(-2.4,-4) L4(-1.6,-4) L5(-0.8,-4) L6(0,-4) L7(0.8,-4) L8(1.6,-4) L9(2.4,-4) L10(3.2,-4) L11(4,-4)
  round 0.4 smd: C7(0.8,2.4)
  silkscreen extent -5.77,-5 5,5, body extent -5,-5 5,5, height 1.2
CAPC0402(1005)60_M [mm] "Chip Capacitor, Body 1.0x0.5mm, Height 0.6mm, IPC Low Density"
  rect 0.6x0.6 smd: 1(-0.5,0) 2(0.5,0)
  body extent -0.5,-0.3 0.5,0.3, height 0.2
CAPC0805(2012)100_N [mm] "Chip Capacitor, Body 2.0x1.2mm, Height 1.0mm, IPC Medium Density"
  rect 1.15x1.45 smd: 1(-0.9,0) 2(0.9,0)
  silkscreen extent -0.05,-0.62 0.05,0.63, body extent -1,-0.62 1,0.63, height 0.78
CAY16 [mm]
  rect 0.4x0.8 smd: 1(0,-0.8) 2(0.8,-0.8) 3(1.6,-0.8) 4(2.4,-0.8) 5(2.4,0.8) 6(1.6,0.8) 7(0.8,0.8) 8(0,0.8)
  body extent -0.4,-0.8 2.8,0.8, height 0.5
CP-16-4_N [mm] "QFN, 16-Leads, Body 4x4mm, Pitch 0.65mm, Thermal Pad 2.1x2.1mm, IPC Medium Density"
  oval 1.05x0.3 smd: 1(-1.875,0.975) 2(-1.875,0.325) 3(-1.875,-0.325) 4(-1.875,-0.975) 9(1.875,-0.975) 10(1.875,-0.325) 11(1.875,0.325) 12(1.875,0.975)
  oval 0.3x1.05 smd: 5(-0.975,-1.875) 6(-0.325,-1.875) 7(0.325,-1.875) 8(0.975,-1.875) 13(0.975,1.875) 14(0.325,1.875) 15(-0.325,1.875) 16(-0.975,1.875)
  rect 2.1x2.1 smd: 17(0,0)
  silkscreen extent -2.98,-2.2 2.2,2.2, body extent -2.05,-2.05 2.05,2.05, height 1
CP-64-6_N [mm] "QFN, 64-Leads, Body 9x9mm, Pitch 0.5mm, Thermal Pad 7.5x7.5mm, IPC Medium Density"
  oval 0.9x0.25 smd: 1(-4.45,3.75) 2(-4.45,3.25) 3(-4.45,2.75) 4(-4.45,2.25) 5(-4.45,1.75) 6(-4.45,1.25) 7(-4.45,0.75) 8(-4.45,0.25) 9(-4.45,-0.25) 10(-4.45,-0.75) 11(-4.45,-1.25) 12(-4.45,-1.75) 13(-4.45,-2.25) 14(-4.45,-2.75) 15(-4.45,-3.25) 16(-4.45,-3.75) 33(4.45,-3.75) 34(4.45,-3.25) 35(4.45,-2.75) 36(4.45,-2.25) 37(4.45,-1.75) 38(4.45,-1.25) 39(4.45,-0.75) 40(4.45,-0.25) 41(4.45,0.25) 42(4.45,0.75) 43(4.45,1.25) 44(4.45,1.75) 45(4.45,2.25) 46(4.45,2.75) 47(4.45,3.25) 48(4.45,3.75)
  oval 0.25x0.9 smd: 17(-3.75,-4.45) 18(-3.25,-4.45) 19(-2.75,-4.45) 20(-2.25,-4.45) 21(-1.75,-4.45) 22(-1.25,-4.45) 23(-0.75,-4.45) 24(-0.25,-4.45) 25(0.25,-4.45) 26(0.75,-4.45) 27(1.25,-4.45) 28(1.75,-4.45) 29(2.25,-4.45) 30(2.75,-4.45) 31(3.25,-4.45) 32(3.75,-4.45) 49(3.75,4.45) 50(3.25,4.45) 51(2.75,4.45) 52(2.25,4.45) 53(1.75,4.45) 54(1.25,4.45) 55(0.75,4.45) 56(0.25,4.45) 57(-0.25,4.45) 58(-0.75,4.45) 59(-1.25,4.45) 60(-1.75,4.45) 61(-2.25,4.45) 62(-2.75,4.45) 63(-3.25,4.45) 64(-3.75,4.45)
  rect 7.5x7.5 smd: 65(0,0)
  silkscreen extent -5.47,-4.7 4.7,4.7, body extent -4.55,-4.55 4.55,4.55, height 1
IDC10M [mm]
  rrect50% 1.6x1.6 hole 0.9: 1(0,0)
  round 1.6 hole 0.9: 2(0,-2.54) 3(-2.54,0) 4(-2.54,-2.54) 5(-5.08,0) 6(-5.08,-2.54) 7(-7.62,0) 8(-7.62,-2.54) 9(-10.16,0) 10(-10.16,-2.54)
  silkscreen extent -15.24,-5.72 5.08,3.18, body extent -15.23,-5.47 5.07,2.93, height 9.3
IND_CDR127_Sumida [mm]
  rect 6x5 smd: 1(0,6) 2(0,-6)
  silkscreen extent -6.5,-6.5 6.5,6.5, body extent -6.17,-6 6.17,6, height 7
IND_SUMIDA_CDRH3D16 [mm] "Precision Wire Wound Inductor, 2-Leads, Body 5,10x4,55mm, IPC Medium Density"
  rect 2.4x1.5 smd: 1(-1.962,-0.029) 2(2.038,-0.029)
  silkscreen extent -2.14,-2.6 2.04,2.5
kxo-v97 [mm]
  rect 1.8x2.2 smd: 1(0,0) 2(5.08,0) 3(5.08,5.08) 4(0,5.08)
  silkscreen extent -0.9,0 6,5
LT-FE-24-EPV-AA_N [mm] "SOP, 24-Leads, Body 7.9x4.5mm, Pitch 0.65mm, Thermal Pad 2.74x3.25mm, IPC Medium Density"
  oval 1.55x0.35 smd: 1(-2.875,3.575) 2(-2.875,2.925) 3(-2.875,2.275) 4(-2.875,1.625) 5(-2.875,0.975) 6(-2.875,0.325) 7(-2.875,-0.325) 8(-2.875,-0.975) 9(-2.875,-1.625) 10(-2.875,-2.275) 11(-2.875,-2.925) 12(-2.875,-3.575) 13(2.875,-3.575) 14(2.875,-2.925) 15(2.875,-2.275) 16(2.875,-1.625) 17(2.875,-0.975) 18(2.875,-0.325) 19(2.875,0.325) 20(2.875,0.975) 21(2.875,1.625) 22(2.875,2.275) 23(2.875,2.925) 24(2.875,3.575)
  rect 2.74x3.25 smd: 25(0,0)
  silkscreen extent -3,-3.95 1.7,4.42, body extent -2.25,-3.95 2.25,3.95, height 1.2
MICT-HA-96 [mm] "BGA, 96-Balls, Body 14x9mm, Pitch 0.8mm"
  round 0.4 smd: A1(-3.2,6) A2(-2.4,6) A3(-1.6,6) A7(1.6,6) A8(2.4,6) A9(3.2,6) B1(-3.2,5.2) B2(-2.4,5.2) B3(-1.6,5.2) B7(1.6,5.2) B8(2.4,5.2) B9(3.2,5.2) C1(-3.2,4.4) C2(-2.4,4.4) C3(-1.6,4.4) C7(1.6,4.4) C8(2.4,4.4) C9(3.2,4.4) D1(-3.2,3.6) D2(-2.4,3.6) D3(-1.6,3.6) D7(1.6,3.6) D8(2.4,3.6) D9(3.2,3.6) E1(-3.2,2.8) E2(-2.4,2.8) E3(-1.6,2.8) E7(1.6,2.8) E8(2.4,2.8) E9(3.2,2.8) F1(-3.2,2) F2(-2.4,2) F3(-1.6,2) F7(1.6,2) F8(2.4,2) F9(3.2,2) G1(-3.2,1.2) G2(-2.4,1.2) G3(-1.6,1.2) G7(1.6,1.2) G8(2.4,1.2) G9(3.2,1.2) H1(-3.2,0.4) H2(-2.4,0.4) H3(-1.6,0.4) H7(1.6,0.4) H8(2.4,0.4) H9(3.2,0.4) J1(-3.2,-0.4) J2(-2.4,-0.4) J3(-1.6,-0.4) J7(1.6,-0.4) J8(2.4,-0.4) J9(3.2,-0.4) K1(-3.2,-1.2) K2(-2.4,-1.2) K3(-1.6,-1.2) K7(1.6,-1.2) K8(2.4,-1.2) K9(3.2,-1.2) L1(-3.2,-2) L2(-2.4,-2) L3(-1.6,-2) L7(1.6,-2) L8(2.4,-2) L9(3.2,-2) M1(-3.2,-2.8) M2(-2.4,-2.8) M3(-1.6,-2.8) M7(1.6,-2.8) M8(2.4,-2.8) M9(3.2,-2.8) N1(-3.2,-3.6) N2(-2.4,-3.6) N3(-1.6,-3.6) N7(1.6,-3.6) N8(2.4,-3.6) N9(3.2,-3.6) P1(-3.2,-4.4) P2(-2.4,-4.4) P3(-1.6,-4.4) P7(1.6,-4.4) P8(2.4,-4.4) P9(3.2,-4.4) R1(-3.2,-5.2) R2(-2.4,-5.2) R3(-1.6,-5.2) R7(1.6,-5.2) R8(2.4,-5.2) R9(3.2,-5.2) T1(-3.2,-6) T2(-2.4,-6) T3(-1.6,-6) T7(1.6,-6) T8(2.4,-6) T9(3.2,-6)
  silkscreen extent -5.27,-7 4.5,7, body extent -4.5,-7 4.5,7, height 0.1
RESC0603(1608)_L [mm] "Chip Resistor, Body 1.6x0.8mm, IPC High Density"
  rect 0.7x0.9 smd: 1(-0.7,0) 2(0.7,0)
  silkscreen extent -0.05,-0.35 0.05,0.35, body extent -0.85,-0.47 0.85,0.47, height 0.6
RESC0805(2012)_L [mm] "Chip Resistor, Body 2.0x1.3mm, IPC High Density"
  rect 0.85x1.3 smd: 1(-0.85,0) 2(0.85,0)
  silkscreen extent -0.05,-0.55 0.05,0.55, body extent -1.1,-0.67 1.1,0.68, height 0.78